# KiCad board hdmi-edid-board.kicad_pcb (continued)
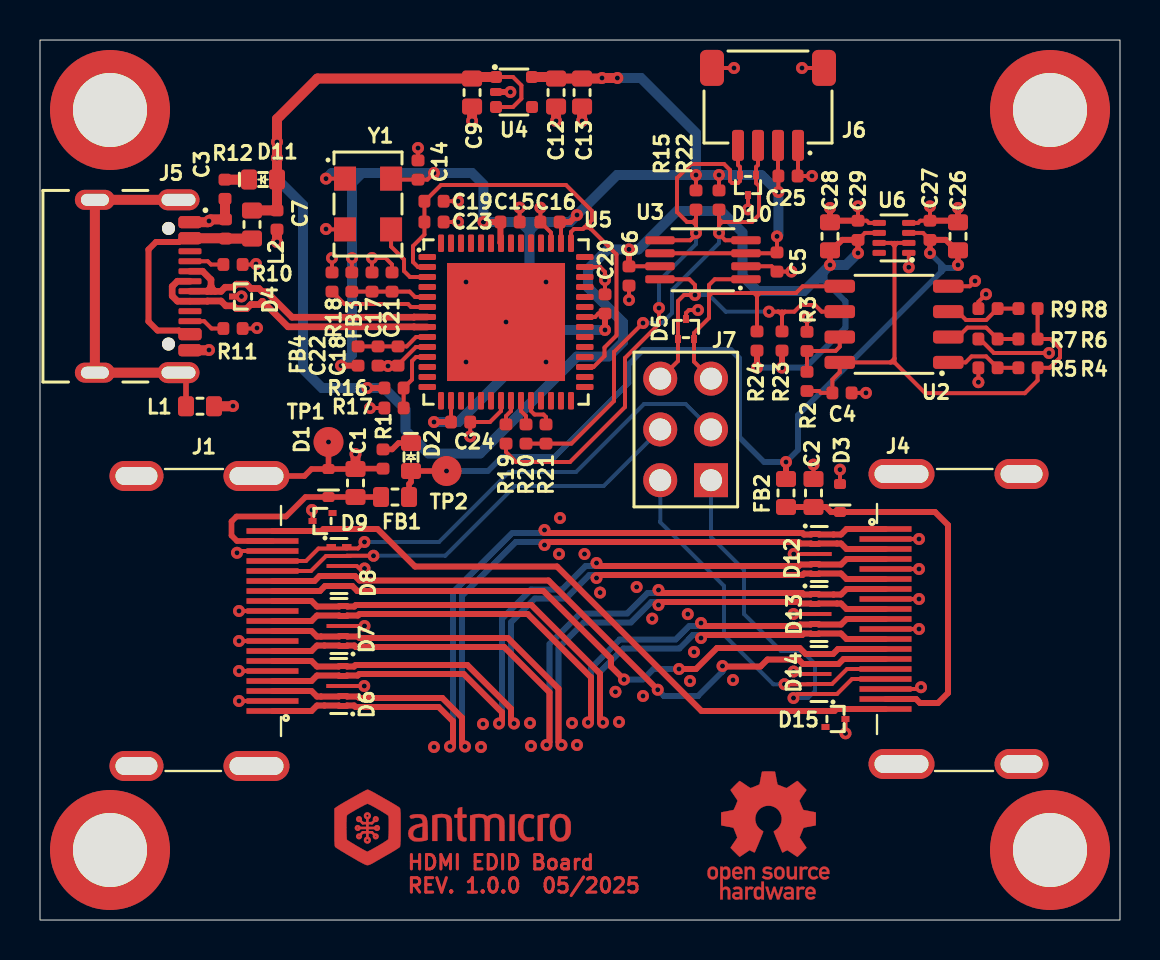
[diagram p0: board, top side]
## Routing (per net, layer and track width the routed paths; a pad name or vN(x,y) marks a point on that pad's centre or on a via; arc(x,y) is an arc through that point) (continued)
Net-(J5-CC_{1}): length 1.7
  Top w0.2: J5.A5 8.39,32.94 8.55,32.77 R10.1
Net-(J5-CC_{2}): length 1.8
  Top w0.2: R11.1 8.57,29.57 8.21,29.94 J5.B5
Net-(U5-BDBUS0): length 1.3
  Top w0.2: U5.22 23.55,25.45 23.3,25.2 R19.1
Net-(U5-BDBUS1): length 1.3
  Top w0.2: U5.23 24.05,25.45 24.3,25.2 R20.1
Net-(U5-BDBUS2): length 1.8
  Top w0.2: R21.1 25.3,25.15 25.17,25.27 24.72,25.27 24.55,25.45 U5.24
Net-(U5-REF): length 5.1
  Top w0.2: R18.1 15.22,30.8 18.4,30.8 18.55,30.65 U5.6

## Copper pours and planes (outline as drawn; the poured copper is in the pictures)
+3V3 on Bottom: 18,43.75 13.5,39.25 13.5,36.75 14,36.25 14,27.75 14.5,27.25 18,27.25 19,26.25 19,24.75 19.5,24.25 22,24.25 26.5,28.75 28.25,28.75 28.5,29 28.5,29.75 27,31.25 27,33.25 30,36.25 35,36.25 36.25,35 36.25,33.75 36.5,33.5 37.25,33.5 37.5,33.75 37.5,39 32.75,43.75
+5V on Bottom: 10.5,39.75 10,39.25 10,36.75 11.75,35 11.75,26.75 14,24.5 17,24.5 18.75,22.75 22.25,22.75 23.25,23.75 25,23.75 30.25,29 35,29 35.5,28.5 35.5,27.5 36,27 38.5,27 41.25,29.5 41.75,30 41.75,33.5 41.25,34 37.75,34 37.25,33.5 36.5,33.5 36.25,33.75 36.25,35 35,36.25 30,36.25 27,33.25 27,31.25 28.5,29.75 28.5,29 28.25,28.75 26.5,28.75 22,24.25 19.5,24.25 19,24.75 19,26.25 18,27.25 14.5,27.25 14,27.75 14,36.25 13.5,36.75 13.5,39.25 13,39.75
GND on In1.Cu, In2.Cu: 0,0 54,0 54,44 0,44

## Text on the board
Top: ${TITLE} / REV. ${REVISION}  05/2025
F.Mask: ${TITLE} / REV. ${REVISION}  05/2025
